# Altium PCB 400236.PcbDoc (part 4 of 4)
Units mil, origin at the board's own origin, x right, y up, seen from the top; angles counter-clockwise.
Board outline 5300 x 2500 mil, 4 copper layers (Top Layer, Mid-Layer 1, Mid-Layer 2, Bottom Layer), stack 59.252 mil thick; 300 components, 217 nets, 1310 pads, 1271 vias.
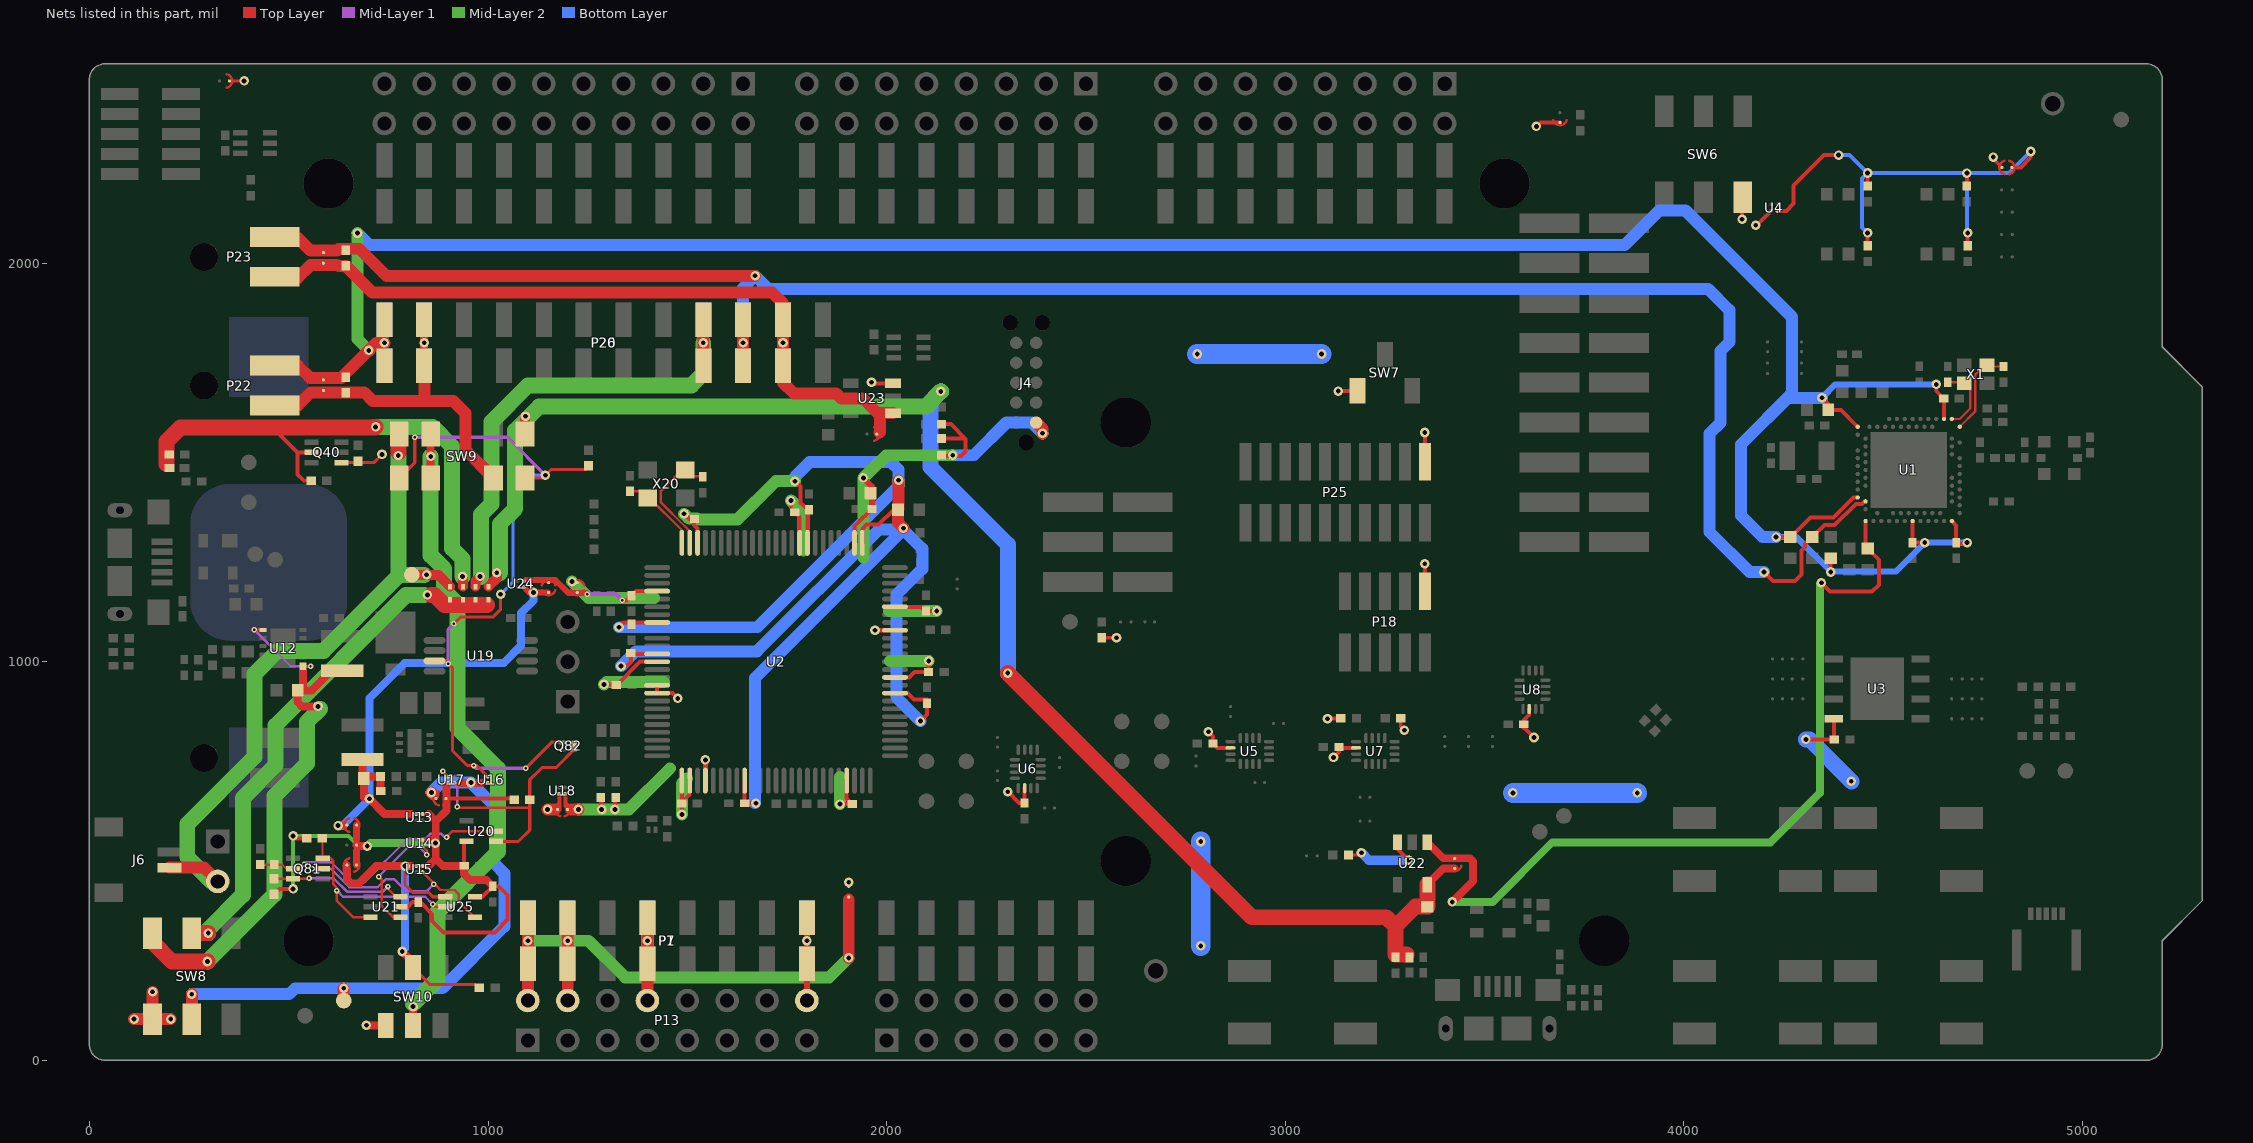
[diagram p6: the nets of this part, all layers, seen from the top]

## Via types
v1: diameter 24, hole 12, Top Layer to Bottom Layer, tented both sides, 1055 vias
v2: diameter 13.78, hole 5.91, Top Layer to Mid-Layer 1, tented both sides, 190 vias
v3: diameter 24, hole 12, Top Layer to Bottom Layer, 26 vias

## Nets (pads, with @x,y where several pads share a name; then routed paths per layer and width w, separated by ;. In a path a pad name is that pad's centre, name@x,y a point inside that pad or via, vN(x,y) a via of type N, cw(c..) or ccw(c..) an arc to the next point about the centre after c; other vN are vias at no path point) (continued)
VBAT_EN: U14.B2 U21.4 | length 320.4
  Top Layer w6: v2(726,461) 733.11,453.89 733.11,387.83 761.53,359.41 U21.4@780.4,359.41 ; U14.B2@835.87,537.13 846,527 v2(846,516)
  Mid-Layer 1 w6: v2(726,461) 800.98,535.98 826.98,535.98 846,516.95 v2(846,516)
VBOOST_SRC: C80.2 L80.2 SW8.6 U12.1 U12.6 | length 1421.9
  Top Layer w6: v2(414,1080) 435.28,1080 U12.6@436,1079.28 ; U12.1@536,988.72 v2(554.72,988.72)
  Top Layer w20: 536,977 536,939.78 C80.2@524.22,928 ; v1(573.57,888) 533,888 522.57,898.43 C80.2@522.57,928 C80.2@524.22,928 ; L80.2@634,977.69 607.69,977.69 558,928 C80.2@524.22,928
  Top Layer w40: SW8.6@158.57,319.27 158.57,296.43 207,248 v1(296,248)
  Mid-Layer 1 w6: v2(414,1080) 505.28,988.72 v2(554.72,988.72)
  Mid-Layer 2 w40: v1(296,248) 464,416 464,663 546,745 546,849 v1@579,882
VBOOST_SRC': D80.1 D81.1 D82.1 D83.1 SW8.5 | length 1291.4
  Top Layer w40: SW8.5@256.99,319.27 v1(298.27,319.27) ; v1@858,1167.5 858,1167 866,1167 891,1142 998,1142
  Mid-Layer 2 w40: v1(298.27,319.27) 298.27,328.27 385,415 385,658 467,740 467,840 794.5,1167.5 v1@840,1167.5
  other v1: 848,1167.5
VBUS: C69.2 D80.2 FB61.2 Q40.2 R40.1 | length 1391.1
  Top Layer w10: 459.24,1587.76 522,1525 ; R40.1@556.31,1454 538,1454 522,1470 522,1525 ; Q40.2@557.6,1525 522,1525
  Top Layer w25: v1(936,1214) 937,1213 D80.2@937,1188.41
  Top Layer w40: 193.8,1496.5 193.8,1552.8 228.76,1587.76 253.72,1587.76 254.01,1587.47 285.49,1587.47 285.78,1587.76 459.24,1587.76 716.76,1587.76 v1(718,1589)
  Mid-Layer 2 w40: v1(718,1589) 861,1589 910,1540 910,1284 936,1258 v1(936,1214)
VBUS_NRF: C20.1 SB80.1 U1.AD2 U22.1 | length 2155.6
  Top Layer w9.84: v1(4345,1198) 4367,1176 4472,1176 4489,1193 4489,1255.8 C20.1@4460.65,1284.15 4455.73,1289.07 U1.AD2@4455.73,1353.05
  Top Layer w20: U22.1@3356.4,547.15 3396.55,507 3411.66,507 3438.34,507 3463,507 3471,499 3471,449.46 v1(3419,397.46)
  Mid-Layer 2 w20: v1(3419,397.46) 3520.3,397.46 3669.84,547 4217,547 4341,671 4341,1194 v1(4345,1198)
VBUS_NRF': C68.2 C91.2 D81.2 FB60.2 SB80.2 SW9.8 U22.5 | length 3941.3
  Top Layer w20: U22.5@3356.4,440.85 3396.55,481 3411.66,481 SB80.2@3425,481
  Top Layer w25: D81.2@1001,1188.41 1022,1209.41 v1(1022,1223) ; SW9.8@1092.48,1571.12 1092.48,1614.48 v1(1094,1616)
  Top Layer w40: v1(2304,971.39) 2916.39,359 3253.29,359 3276.5,335.79 ; FB60.2@3303.56,266 3276.5,266 3276.5,335.79 ; U22.5@3356.4,440.85 3356.4,385.98 3326.69,385.98 3276.5,335.79
  Mid-Layer 2 w40: v1@1030,1223 1030,1346 1068,1384 1068,1580 1128,1640 2098,1640 v1(2136,1678)
  Bottom Layer w40: v1(2136,1678) 2110,1652 2110,1488 2304,1294 v1(2304,971.39)
VCORE: C22.2 C24.2 C30.1 C31.2 C33.2 C37.2 C38.2 U2.9 U2.34 U2.52 U2.59 U2.73 U2.83 U2.87 | length 4727.3
  Top Layer w10: v1(1328.61,1086.53) 1340.08,1098 U2.83@1423.95,1098 ; v1(1333.61,989) 1347.71,989 1358.29,999.58 C22.2@1358.29,1022 ; C22.2@1364.96,1019.68 U2.87@1424.38,1019.68 ; v1(1492,1371) 1505,1358 C30.1@1516.96,1358 ; C30.1@1517.92,1358 C30.1@1516.96,1358 ; U2.73@1525.76,1298.23 1525.76,1334.24 1516.96,1343.04 C30.1@1516.96,1358 ; C31.2@1643.69,645 v1(1672,645) ; C31.2@1643.87,645.67 U2.9@1643.87,701.77 ; v1(1770,1453) 1784,1439 1784,1398.64 1790,1392.64 C33.2@1803.46,1379.17 ; U2.59@1801.35,1298.23 1801.35,1377.05 C33.2@1803.46,1379.17 ; C33.2@1805.61,1381.31 C33.2@1803.46,1379.17 ; U2.52@1939.14,1298.23 1939.14,1333.11 1950.03,1344 1980,1344 2017,1381 C37.2@2028.42,1381 ; U2.34@2020.83,921.26 2052.35,921.26 2068.61,905 C38.2@2099.94,905 ; v1(2084.61,851) 2101.61,868 C38.2@2101.61,896.31 ; C38.2@2100.92,898.68 C38.2@2100.92,905
  Top Layer w30: v1(2030,1455) 2030,1382.58 C37.2@2028.42,1381 2028.42,1348.58 v1(2042,1335)
  Mid-Layer 2 w30: v1(1492,1371) 1504,1359 1524.33,1359 1526.33,1357 1626,1357 1722,1453 v1(1770,1453)
  Bottom Layer w30: v1(1328.61,1086.53) 1675.53,1086.53 2030,1441 v1(2030,1455) 2030,1482 2011,1501 1807,1501 1770,1464 v1(1770,1453) ; v1(1333.61,989) 1370.61,1026 1674.61,1026 1980,1331.39 v1@2042,1331.39 ; v1@1669.92,645 1669.61,645.31 1669.61,959 v1@2042,1331.39 ; v1(2084.61,851) 2024.61,911 2024.61,1168.16 2089.61,1233.16 2089.61,1283.79 v1@2042,1331.39
VDD: C42.2 C45.2 C48.2 C49.2 C50.2 P18.1 P25.1 Q40.4 R41.1 R49.2 R52.1 R53.1 R68.2 SB9.1 SB31.1 SB37.2 SB38.2 SB47.1 SW6.6 SW7.3 SW8.3 SW10.6 U3.8 U4.A2 U5.14 U6.14 U7.14 U8.14 U18.A2 U22.3 U23.3 | length 2710.3
  Top Layer w6: v1@3571,670 v1(3571,671)
  Top Layer w7.87: SB47.1@351.3,2457 358.17,2457 v1(388,2457) ; Q40.4@632.4,1499.41 713.41,1499.41 v1(734,1520) ; R68.2@2540,1060.31 v1(2576.69,1060.31) ; R49.2@3158.69,515 3185,515 v1(3191,521) ; v1(4776,2266) 4776,2261.77 4792.18,2245.59 SB9.1@4798.04,2239.73
  Top Layer w10: 1178.78,629.62 U18.A2@1178.78,667.31 ; v1(1962,1701) 1964.6,1698.4 U23.3@2016.15,1698.4 ; v1(2304,674) 2332.31,645.69 C45.2@2346,645.69 2346.13,645.81 U6.14@2346.13,682.77 ; v1(2807.31,824.31) 2807.31,823.69 2818.69,812.31 C42.2@2818.69,795 2829.94,783.75 U5.14@2862.5,783.75 ; v1(3106,857) 3107,858 R53.1@3139.32,858 ; v1(3121,760) 3134.69,773.69 C48.2@3134.69,786 3136.81,783.87 U7.14@3177.77,783.87 ; v1(3133,1679) 3133.72,1679.72 SW7.3@3181.1,1679.72 ; U22.3@3281.6,547.15 3281.6,530.4 v1(3310,502) ; R52.1@3289.68,858 3289.68,837.31 v1(3299,828) ; P18.1@3350,1176.77 v1(3350,1246) ; P25.1@3350,1501.77 v1(3350,1575) ; C50.2@3598,834.31 3602.69,839 C50.2@3598.69,843 ; U8.14@3612.13,881.77 3611.71,881.35 3611.71,866.96 3598.69,853.93 C50.2@3598.69,843 ; v1(3624,810) 3598.84,835.16 3598.69,835.31 C50.2@3598.69,843 ; v1(3630,2343) 3639.7,2352.7 3675.1,2352.7 SB31.1@3689,2352.7 ; v1(4146,2110) 4146,2163.31 SW6.6@4147.43,2164.73 ; v1(4180,2095) 4183,2095 U4.A2@4218.87,2130.87 ; v1@4306,805 C49.2@4376.68,805 ; U3.8@4375.94,857 4376.68,856.26 C49.2@4376.68,805 ; C49.2@4377.31,805 C49.2@4376.68,805 ; C49.2@4377.68,804 C49.2@4376.68,805
  Top Layer w20: v1(695,88) 695.83,87.17 SW10.6@743.1,87.17
  Top Layer w30: v1(112.14,103.46) v1(204.14,103.46) ; SW8.3@158.56,100.75 v1(158.56,172.02) ; v1(1149.48,629.62) 1168.48,629.62
  Bottom Layer w24: v1(3191,521) 3210,502 v1(3310,502)
  Bottom Layer w40: v1(4306,805) 4315,805 v1(4420,700)
  Bottom Layer w50: v1(2779,1772) v1(3091,1772) ; v1(2788,287) v1(2788,549) ; v1(3571,671) v1(3883,671)
  other v1: 1905,447
VDD_HV: C18.1 P20.10 P23.1 P26.10 R91.2 SB41.1 U1.Y2 | length 5223.9
  Top Layer w9.84: v1(4201,1225) 4224,1202 4279,1202 4295.3,1218.3 4295.3,1240.07 4295.2,1240.16 4295.2,1278.83 4304.09,1287.72 4304.09,1294.91 C18.1@4321.87,1312.69 4352.18,1343 4378.31,1343 4431.31,1396 4439,1396 4446.49,1396.02 4452.73,1402.26 U1.Y2@4455.73,1402.26
  Top Layer w30: P23.1@464.99,2063 522.99,2063 554.69,2031.3 621.29,2031.3 625.99,2036 676.99,2036 744.99,1968 v1(1670,1968) ; P20.10@1640,1742.32 v1(1640,1800) P20.10@1640,1857.68
  Bottom Layer w30: P26.10@1640,1742.32 v1(1640,1800) P26.10@1640,1857.68 1640,1938 v1(1670,1968) 1703,1935 4061,1935 4114,1882 4114,1801.63 4092,1779.63 4092,1600 4064,1572 4064,1326 4165,1225 v1(4201,1225)
VDD_HV': P20.11 P23.2 P26.11 R91.1 SB41.2 SB81.1 U23.1 | length 1995.1
  Top Layer w30: P23.2@464.99,1963 522.99,1963 554.69,1994.7 621.29,1994.7 ; 626.38,1992.64 643.66,1992.64 710.31,1926 1713,1926 1740,1899 P20.11@1740,1857.68 v1(1740,1800) P20.11@1740,1742.32 1740,1700 1767,1673 1873.41,1673 1886.41,1660 1941,1660 1977.4,1623.6 ; 1981.6,1575.42 1983,1576.82 1983,1618 1977.4,1623.6 ; U23.1@2016.15,1623.6 1977.4,1623.6
  Bottom Layer w30: P26.11@1740,1742.32 v1(1740,1800) P26.11@1740,1857.68
VDD_NRF: C6.1 C7.1 C8.1 C12.1 C14.1 L4.1 P20.1 P22.1 P26.1 R90.2 SB40.1 U1.A22 U1.AD14 U1.AD23 U1.B1 U1.W1 | length 6767
  Top Layer w9.84: v1(4231.32,1312.69) 4268.72,1312.69 4318.03,1362 4375.32,1362 4425.32,1412 U1.W1@4436.05,1412 ; v1(4346.48,1662.1) 4362.23,1646.35 C14.1@4362.23,1631.65 4393.66,1631.65 U1.B1@4436.05,1589.27 ; v1(4368.13,1225.09) L4.1@4368.13,1259.54 ; U1.AD14@4573.84,1353.05 C7.1@4573.84,1298.91 v1(4604.35,1298.91) ; v1(4632.94,1695.57) 4632.94,1678.79 C12.1@4651.6,1660.13 4652.58,1659.15 U1.A22@4652.58,1608.95 ; U1.AD23@4672.27,1353.05 4683.09,1342.22 C8.1@4683.09,1298.91 4685.06,1296.94 v1@4710.53,1296.94
  Top Layer w30: P22.1@464.99,1742.91 522.99,1742.91 553.69,1712.21 632.21,1712.21 v1(701,1781) 720,1800 v1(740,1800)
  Mid-Layer 2 w30: v1@673,2074.2 673,1809 v1(701,1781)
  Bottom Layer w15.75: v1(4231.32,1312.69) 4282.5,1312.69 4369.12,1226.08 4531.52,1226.08 v1(4604.35,1298.91) v1(4710.53,1298.91) ; v1(4346.48,1662.1) 4379.94,1695.57 v1@4629.94,1695.57
  Bottom Layer w20: P26.1@740,1742.32 v1(740,1800) P26.1@740,1857.68
  Bottom Layer w30: v1(672.6,2075.2) 702.3,2045.5 3851.5,2045.5 3938,2132 4004,2132 4271.29,1864.71 4271.29,1672.96 ; v1(4231.32,1312.69) 4197.31,1312.69 4143,1367 4143,1544.66 4271.29,1672.96 ; v1(4346.48,1662.1) 4271.29,1662.1 4271.29,1672.96
VDD_NRF': P20.2 P22.2 P26.2 R90.1 SB40.2 SW9.3 | length 1024.8
  Top Layer w20: P20.2@840,1742.32 v1(840,1800) P20.2@840,1857.68
  Top Layer w30: P22.2@464.99,1642.91 522.99,1642.91 555.69,1675.61 689.39,1675.61 711,1654 841,1654 ; P20.2@840,1742.32 841,1741.32 841,1654 ; SW9.3@1013.74,1460.88 943,1531.62 943,1624 913,1654 841,1654
  Bottom Layer w20: P26.2@840,1742.32 v1(840,1800) P26.2@840,1857.68
VDD_NRF_SENSE: Q82.1 R88.1 SW9.1 SW9.4 U16.B2 U19.3 | length 1933.1
  Top Layer w8: SW9.1@777.52,1460.88 816,1499.36 v2(816,1563) ; U19.3@865.86,1002.2 892.8,1002.2 v2(900,995) 910.57,984.43 910.57,777.43 948.39,739.61 v2(964,739.61) 971.39,739.61 U16.B2@999.13,711.87 ; v2(914,1095) 931,1112 1012,1112 1031.5,1131.5 v1(1031.5,1169.5) ; SW9.4@1092.48,1460.88 1136.88,1460.88 v1(1144,1468) 1158,1482 1245,1482 R88.1@1254,1491 ; v2(1095,733) 1159.86,797.86 Q82.1@1187.22,797.86
  Mid-Layer 1 w8: v2(816,1563) 1049,1563 v1(1144,1468) ; v2(900,995) 900,1081 v2(914,1095) ; v2(964,739.61) 970.61,733 v2(1095,733)
  Bottom Layer w8: v1(1031.5,1169.5) 1063,1201 1063,1429 1102,1468 v1(1144,1468)
VDD_SAM: C23.2 C29.2 C32.2 C34.2 C35.2 C36.2 C39.2 C40.2 J4.1 R20.2 R21.2 R64.2 R65.2 R66.2 SB37.1 SB49.1 U2.1 U2.2 U2.4 U2.22 U2.36 U2.42 U2.45 U2.53 U2.60 U2.88 U2.91 U2.92 U18.A1 | length 3369.9
  Top Layer w6: U2.88@1424.38,1000 U2.88@1431,1000
  Top Layer w8: v1(1760,1404.32) 1760,1384.29 C32.2@1769.29,1375
  Top Layer w10: 1194.78,637.62 1194.78,645.94 U18.A1@1194.78,667.62 ; v1@1284.87,630 R20.2@1284.87,659.31 ; v1(1291,943) 1324.61,943 1381.61,1000 U2.88@1424.38,1000 ; v1(1318.34,629.31) R21.2@1318.34,659.31 ; U2.91@1424.38,940.94 U2.92@1424.38,921.26 1462.63,921.26 v1(1475.94,907.94) ; U2.1@1486.39,701.77 1486.39,644 1486.44,643.95 v1(1486.44,616.77) ; C29.2@1486.61,648 1506.07,667.46 U2.2@1506.07,701.77 ; C32.2@1769.29,1375 1781.66,1362.63 U2.60@1781.66,1298.23 ; v1(1883,643) C34.2@1913.31,643 1899.77,656.54 U2.22@1899.77,701.77 ; U2.53@1919.46,1298.23 1919.46,1339.85 1929.8,1350.2 1959.18,1379.57 C35.2@1959.18,1383 ; U2.36@2020.83,960.63 2056.24,960.63 2069.61,974 C39.2@2104.92,974 2105.61,974.68 v1(2105.61,1002) ; U2.42@2020.83,1078.74 U2.42@2021.57,1078 ; U2.45@2020.83,1137.79 2085.81,1137.79 C40.2@2093.29,1130.31 ; C40.2@2098.61,1127.31 v1(2125.61,1127.31) ; R64.2@2137.53,1518 R64.2@2137.69,1518 2137.69,1516 2187,1516 2198,1527 2198,1559 2197,1560 ; R65.2@2137.53,1560 R65.2@2137.69,1560 2197,1560 ; R66.2@2137.69,1596 2161,1596 2197,1560
  Top Layer w12: U2.4@1545.44,701.77 v1(1545.44,753.77) ; v1(1970.83,1078.74) U2.42@2020.83,1078.74
  Top Layer w15: v1(1941.61,1461) 1963.29,1439.31 C35.2@1963.29,1383
  Top Layer w30: 1207.78,629.62 v1(1226.78,629.62) ; J4.1@2375,1600 2391,1584 v1(2391,1573)
  Mid-Layer 2 w30: v1(1211,1201) 1252,1160 1417,1160 ; v1@1226.78,629.31 v1(1318.34,629.31) 1353.41,629.31 1456.83,732.74 ; v1(1291,943) 1296.74,948.74 1441.83,948.74 ; v1(1486.44,616.77) 1486.44,694.44 1499,707 ; v1(1760,1404.32) 1791.83,1372.49 1791.83,1278.74 ; v1(1883,643) 1883,710.74 ; 1941.61,1261.61 v1(1941.61,1461) 1998.61,1518 v1(2165.68,1518) ; 2005.83,1127.31 v1(2125.61,1127.31) ; 2008.83,1002 v1(2105.61,1002)
  Bottom Layer w30: v1(2165.68,1518) 2218.67,1518 2300.67,1600 2364,1600 v1(2391,1573)
  other v1: 1284.87,629.31
VDD_UTMI: C26.2 SB48.1 SB49.2 U2.79 U24.A1 | length 362.9
  Top Layer w10: v2@1247.3,1172.7 v2@1251,1169 ; v2(1336.61,1154) 1347.92,1154 C26.2@1359.61,1165.68 ; C26.2@1359.92,1166 1371.09,1177.16 U2.79@1424.38,1177.16
  Top Layer w15: U24.A1@1094,1204.55 1169.45,1204.55 1201.3,1172.7 1210.92,1172.7 1237.08,1172.7 v2@1247.3,1172.7
  Mid-Layer 1 w10: v2@1249,1170 1320.61,1170 v2(1336.61,1154)
  other v2: 1249,1169
VEXT: R92.1 SB36.2 SW10.2 U15.A1 U25.1 | length 846.6
  Top Layer w8: v1(792,487.47) 792,440 811,421 851,421 861.41,410.59 U25.1@892.6,410.59 ; SW10.2@812,232.83 854.83,190 969,190 R92.1@977,182
  Top Layer w9.65: 807,487.87 U15.A1@820.13,487.87
  Top Layer w20: SB36.2@645.4,490 645.4,479.64 645.8,479.24 645.8,478.71 ; 645.77,478.71 645.77,476.12 645.77,455.23 657,444 676,444 719.47,487.47 v1(792,487.47) 806.6,487.47 ; v1(785,273) 812,246 SW10.2@812,232.83
  Bottom Layer w20: v1(785,273) 792,280 v1(792,487.47)
VEXT_EN: Q81.5 U15.B2 U25.4 | length 565.3
  Top Layer w6: v2(559,481) Q81.5@585.4,481 ; U15.B2@835.87,472.13 880.58,427.42 915.58,427.42 927,416 927,397.81 U25.4@965.4,359.41
  Mid-Layer 1 w6: v2(559,481) 605.71,481 652.12,434.59 723.59,434.59 742.91,453.91 765.09,453.91 795,424 846,424 v2(864,442)
VEXT_EN_INV: Q81.3 R89.2 U21.6 | length 351.7
  Top Layer w6: R89.2@463,455.69 510.32,455.69 Q81.3@510.6,455.41 549.41,455.41 v2(551,457) ; v2(749,436) 749,430.59 769,410.59 U21.6@780.4,410.59
  Mid-Layer 1 w6: v2(551,457) 612.74,457 647.14,422.59 735.59,422.59 v2(749,436)
VIN: P1.8 P7.8 P13.16 | length 323
  Top Layer w15: P13.16@1800,150 P1.8@1800,242.32 v1(1800,300) P1.8@1800,357.68
  Bottom Layer w15: P7.8@1800,242.32 v1(1800,300) P7.8@1800,357.68
VIN3-5V: D83.2 P20.9 P26.9 | length 1320.2
  Top Layer w25: D83.2@969,1188.41 969,1203 v1(980,1214)
  Top Layer w30: P20.9@1540,1742.32 v1(1540,1800) P20.9@1540,1857.68
  Mid-Layer 2 w40: v1@982,1212 982,1369 1009,1396 1009,1602 1100,1693 1510,1693 1540,1723 v1(1540,1800)
  Bottom Layer w30: P26.9@1540,1742.32 v1(1540,1800) P26.9@1540,1857.68
VIO: P1.1 P1.2 P1.4 P7.1 P7.2 P7.4 P13.2 P13.4 P13.8 SB38.1 | length 2128.6
  Top Layer w15: v1(1400,300) P1.4@1400,357.68
  Top Layer w30: P13.2@1100,150 P1.1@1100,242.32 P1.1@1100,357.68 ; P13.4@1200,150 v1(1200,300) P1.2@1200,357.68 ; P13.8@1400,150 P1.4@1400,357.68 ; v1(1905,257) 1905,403
  Mid-Layer 2 w30: v1(1100,300) v1(1200,300) 1252,300 1344,208 1399,208 ; v1(1400,300) 1400,209 1399,208 ; v1(1905,257) 1856,208 1399,208
  Bottom Layer w30: P7.1@1100,242.32 P7.1@1100,357.68 ; P7.2@1200,242.32 P7.2@1200,357.68 ; P7.4@1400,242.32 P7.4@1400,357.68
VLED: R47.2 R48.2 R50.2 R51.2 SB9.2 U4.A1 | length 1276.2
  Top Layer w10: U4.A1@4234.87,2131.13 4257.13,2131.13 4275,2149 4275,2195 4351,2271 v1(4388,2271) ; R50.2@4460.84,2043.41 v1(4460.84,2075.73) ; R47.2@4460.84,2193.41 v1(4460.84,2226.04) ; R48.2@4709.84,2193.41 v1(4709.84,2225.73) ; R51.2@4711.84,2043.41 v1(4711.84,2075.73) ; SB9.2@4822.64,2239.73 4829.51,2239.73 4845.07,2239.73 4870,2264.66 v1(4870,2280)
  Bottom Layer w10: v1(4388,2271) 4415.88,2271 v1(4460.84,2226.04) ; v1(4460.84,2075.73) 4447,2089.57 4447,2212.2 v1(4460.84,2226.04) ; v1(4709.84,2225.73) 4709.84,2077.73 v1(4711.84,2075.73) ; v1(4870,2280) 4816.04,2226.04 v1(4460.84,2226.04)
VLI-ION: D82.2 J6.2 P27.2 SW9.5 TP17.1 | length 1752.6
  Top Layer w25: TP17.1@809,1218 v1(846,1218) 875.41,1218 D82.2@905,1188.41
  Top Layer w30: J6.2@201,483.31 287.69,483.31 P27.2@322,449
  Top Layer w40: v1@775,1525 775,1568.6 SW9.5@777.52,1571.12
  Mid-Layer 2 w40: P27.2@322,449 306,449 245.5,509.5 245.5,592.5 414,761 414,969 472,1027 587,1027 775,1215 ; v1(775,1517) 775,1215 ; v1@840,1218 778,1218 775,1215
VREG: C87.2 C88.2 L81.2 R82.2 SB34.2 SB48.2 U13.A1 U24.A2 | length 1331.6
  Top Layer w15: 1094,1183.55 1093.45,1183.55 1103.3,1173.7 v1(1114,1173.7) 1138.1,1173.7 SB48.2@1151,1173.7
  Top Layer w20: v1(624,589) 638.9,589 638.96,588.94 ; L81.2@685,751.69 685,710.57 C88.2@688.57,707 ; 688.57,659 C88.2@688.57,707 ; 688.57,670 v1(702.57,656) 740.7,617.87 807,617.87 ; C87.2@731.31,676 730.31,677 R82.2@730.31,712 693.57,712 C88.2@688.57,707
  Bottom Layer w20: v1(624,589) 635.57,589 v1(702.57,656) 702.57,908.57 791,997 1039.6,997 1083,1040.4 1083,1122 1114,1153 v1(1114,1173.7)
VREG_EN: Q81.2 R83.2 R85.1 U20.2 | length 683.4
  Top Layer w6: R85.1@428.87,491.31 428.87,490.7 484.02,490.7 493.72,481 Q81.2@510.6,481 528,481 v2(539,492) ; v2(896,560) 911,575 U20.2@1020.4,575
  Mid-Layer 1 w6: v2(539,492) 543.89,496.89 606.79,496.89 657.09,446.59 689.12,446.59 798.53,556 843,556 855,568 883,568 891,560 v2(896,560)
VREG_EN_INV: Q81.6 R86.2 U21.3 U25.2 | length 573.8
  Top Layer w6: R86.2@584.69,557 584.69,507.31 604.69,507.31 612.12,499.88 612.12,441.15 621,432.26 v2(621,426) 621,400 661.59,359.41 U21.3@705.6,359.41 ; v2(861,392) 868,385 U25.2@892.6,385
  Mid-Layer 1 w6: v2(621,426) 636.41,410.59 839.41,410.59 842.41,410.59 v2(861,392)
VSENSE_SW_OUT: SB39.1 SW8.2 TP19.1 U16.A2 U17.A1 | length 1544.9
  Top Layer w9.84: U17.A1@915.87,696.13 930,696.13 ; 983.13,696.13 U16.A2@999.13,696.13
  Top Layer w20: 930,696.13 983.13,696.13
  Top Layer w30: SW8.2@256.99,102.73 v1(256.99,165.99) ; TP19.1@638,150 v1(638,180.94) ; v1(858,672) v1@863.57,666.43
  Bottom Layer w30: v1(256.99,165.99) 501.05,165.99 516,180.94 v1(638,180.94) 885.94,180.94 1041,336 1041,468.87 1016.91,492.97 1016.91,637.09 v1(957,697) 883,697 v1(858,672)
VSRC_NRF: SW9.2 SW9.6 SW10.5 | length 1689.2
  Top Layer w20: SW10.5@812,87.17 v1(812,135) ; SW9.2@856.26,1460.88 v1(856.26,1515) SW9.6@856.26,1571.12
  Mid-Layer 2 w40: v1@812,142 873,203 873,372 1025,524 1025,732 923,834 923,1145 890,1178 890,1233.05 856.26,1266.79 v1(856.26,1515)
VSUPPLY: C89.2 C90.2 C93.2 R86.1 R87.1 R89.1 SB34.1 SB35.1 SB36.1 SB39.2 U13.A2 U14.A2 U15.A2 U17.A2 U20.5 U21.5 U25.5 | length 1912.9
  Top Layer w9.65: U15.A2@835.87,487.87 851,487.87 ; U14.A2@835.87,552.87 851,552.87 ; U13.A2@835.87,617.87 852,617.87
  Top Layer w10: R89.1@463,416.31 476.69,430 v1(511,430) ; v1(511,563) 517,557 R86.1@545.31,557 ; U21.5@780.4,385 799,385 810.69,396.69 C89.2@825,396.69 830.31,396.69 859.92,367.08 859.92,349.92 888.85,321 1017,321 1049,353 1049,415 1028,436 1012.69,436 C90.2@1012,436.69 985.91,410.59 U25.5@965.4,410.59 ; SB39.2@894.3,656.7 894.6,657 896,657 901.17,657 R87.1@1063,657 ; C93.2@940.31,488 940.31,544.13 U20.5@945.6,549.41
  Top Layer w18: SB36.1@670.4,490 670.4,503.9 670.4,526.17 ; 670.4,553.82 670.4,576.1 SB34.1@670.4,590
  Top Layer w20: SB35.1@670.3,540 672.89,537.41 676.98,537.41 v1(697,537.41) ; 851,487.87 868.89,505.76 ; 851,552.87 868.76,552.87 v1@868.89,553 ; 852,617.87 852,616.78 868.89,599.89 ; 896,689 896,669.12 896,657 896,644.28 896,627 868.89,599.89 ; C90.2@1012,436.69 996.69,452 956,452 940.31,467.69 C93.2@940.31,488 886.65,488 868.89,505.76 ; 868.89,505.76 v1@868.89,553 ; v1@868.89,553 868.89,599.89
  Mid-Layer 2 w10: v1(511,430) v1(511,563) 650,563 675.59,537.41 v1(697,537.41)
  Mid-Layer 2 w20: v1(697,537.41) 704.59,545 v1(868,545)
VSUPPLY_EN: Q82.3 R87.2 U17.B2 U20.1 | length 678.4
  Top Layer w6: v2(887,725) U17.B2@900.13,711.87 ; v2(923,636) 924.83,634.17 1104.51,634.17 1104.69,634
  Top Layer w8: U20.1@1020.4,549.41 1076.41,549.41 1104.69,577.69 1104.69,634 R87.2@1104.69,654 1104.69,703.69 1135.5,734.5 1170.5,734.5 1214.78,778.78 Q82.3@1214.78,789
  Mid-Layer 1 w6: v2(887,725) 923,689 v2(923,636)
XC1: C1.1 U1.B24 X1.1 | length 226.7
  Top Layer w6: U1.B24@4691.95,1589.27 4731.32,1628.64 4731.32,1721.16 4750.83,1740.66 C1.1@4801.76,1740.66
XC2: C2.1 U1.A23 X1.3 | length 169.2
  Top Layer w6: C2.1@4661.76,1701.29 4700.27,1701.29 X1.3@4703.22,1698.34 4718.53,1683.03 4718.53,1635.36 4692.12,1608.95 U1.A23@4672.27,1608.95
XIN: C27.1 U2.75 X20.3 | length 201.7
  Top Layer w6: C27.1@1356.61,1427.31 1384.34,1427.31 X20.3@1400.6,1411.06 ; X20.3@1400.6,1410.94 1405.28,1410.94 1486.39,1329.84 U2.75@1486.39,1298.23
XOUT: C28.1 U2.74 X20.1 | length 294
  Top Layer w6: U2.74@1506.07,1298.23 1506.07,1327.93 1500,1334 1494.29,1339.71 1493.48,1339.71 1433.61,1399.59 1433.61,1428.61 1486.06,1481.06 X20.1@1494.61,1481.06 1509.99,1465.68 C28.1@1538.61,1465.68
pads on no net: Bat1.0 Fid1.0 Fid2.0 J2.4 J2.6@76.53,1120.08 J2.6@76.53,1379.92 J3.4 J3.6@3402.73,80.04 J3.6@3662.57,80.04 J4.0 J4.7 J4.9 J5.0 J5.1 J5.3 J5.5 J6.0 P18.7 P18.8 P19.7 P19.8 P21.0 P22.0 P23.0 P25.7 P25.8 P25.11 P25.13 SW8.1 SW10.1 U2.6 U2.8 U2.10 U2.11 U2.13 U2.15 U2.16 U2.19 U2.25 U2.26 U2.28 U2.29 U2.30 U2.31 U2.32 U2.33 U2.37 U2.44 U2.48 U2.49 U2.50 U2.58 U2.64 U2.69 U2.86 U2.93 U2.94 U2.95 U2.96 U2.99 U2.100 U5.1 U5.5 U5.9 U5.13 U6.1 U6.5 U6.9 U6.13 U7.7 U7.11 U8.11 U8.12 U8.13 U12.5 U22.4 U23.4
copper on no net: | length 142.5
  Bottom Layer w10: 1506,2116.53 1506,2259

## Polygon pours and split planes (outlines as drawn)
VDD_SAM on Mid-Layer 2 "Mid_Layer_2-VDD_SAM" (solid, pour order 8): 1410.89,1303.95 1410.89,684.21 2029.73,684.21 2029.73,1303.95
VDD on Mid-Layer 2 "Mid_Layer_2-VDD" (solid, remove dead copper, pour order 10): -150,-150 -150,2700 5450,2700 5450,-150
GND on Bottom Layer "Bottom_Layer-GND" (solid, remove dead copper, pour order 6): -150,-150 -150,2700 5450,2700 5450,-150
GND on Top Layer "Top_Layer-GND" (solid, remove dead copper, pour order 12): -150,-150 -150,2700 5450,2700 5450,-150
GND on Mid-Layer 1 "Mid_Layer_1-GND" (solid, remove dead copper, pour order 7): -150,-150 -150,2700 5450,2700 5450,-150

## Keep-outs
Top Layer:
  lines w6: 643.15,315.86 ccw(c550,300) 643.26,315.2 ; 3578.36,2109.87 cw(c3550,2200) 3617.82,2134.21
Mid-Layer 1:
  circle w6: c3550,2200 r94.49
  circle w6: c550,300 r94.49
Mid-Layer 2:
  circle w6: c3550,2200 r94.49
  circle w6: c550,300 r94.49
Bottom Layer:
  circle w6: c3550,2200 r94.49
  circle w6: c550,300 r94.49
Keep-Out Layer:
  circle w6: c2600,500 r94.49
  circle w6: c600,2200 r94.49
  circle w6: c2600,1600 r94.49
  circle w6: c3800,300 r94.49
  lines w10: 0,40 ccw(c40,40) 40,0 5161,0 ccw(c5160.5,39.5) 5200,40 5200,300 5300,400 5300,1690 5200,1790 5200,2460 ccw(c5160,2460) 5160,2500 40,2500 ccw(c40,2460) 0,2460 0,40

## Other copper
Top Layer:
  rectangle net ANT: 5236.79,800.9 5286.79,830.9
  rectangle net GND: 334,1005 479,1047
  rectangle net GND: 455,957 517,1118
  pour cut-out: 3589,1265 3589,1315 3539,1315 3539,1265
  pour cut-out: 4803.2,1468.21 4695.2,1468.21 4695.2,1582.21 4803.2,1582.21
  pour cut-out: 4249.04,1268.4 4249.04,1323.52 4393.54,1323.52 4393.54,1268.4
  pour cut-out: 4386.83,1234.94 4386.83,1293.99 4485.26,1293.99 4485.26,1234.94
  pour cut-out: 4573.84,1451.47 4573.84,1510.53 4672.27,1510.53 4672.27,1451.47
  pour cut-out: 4665.31,1324.01 4623.55,1365.77 4693.15,1435.37 4734.9,1393.61
  pour cut-out: 2383,1218 2680.02,1218 2679.97,1288 2383,1288
  pour cut-out: 5039.97,-50 5310.28,-50 5308.76,1788 5040.14,1788
  pour cut-out: -9.02,1110.4 111.17,1110.4 110.94,1389 -8.99,1389
  pour cut-out: 1141,1008 1141,1058 1091,1058 1091,1008
  pour cut-out: 4033,1891 4033,1941 3983,1941 3983,1891
  pour cut-out: 4157.36,995 4122,1030.36 4086.64,995 4122,959.64
  pour cut-out: 4668,1062 4618,1062 4618,1012 4668,1012
  pour cut-out: 443,2038 393,2038 393,1988 443,1988
  pour cut-out: 3401,1405 3351,1405 3351,1355 3401,1355
  pour cut-out: 2392,2090 1905,2090 1905,2040 2392,2040
  pour cut-out: 4239,1703 4239,1753 4156,1753 4156,1703
  pour cut-out: 872,46 872,96 822,96 822,46
  pour cut-out: 805,225 805,275 755,275 755,225
  pour cut-out: 796,45 796,128.5 746,128.5 746,45
  pour cut-out: 443,1717.91 393,1717.91 393,1667.91 443,1667.91
  pour cut-out: 958.26,1424.38 1361.38,1424.4 cw(c1361.42,1324.56) 1432.09,1395.11 1516.11,1311.09 cw(c1445.6,1240.49) 1545.4,1240.38 1545.4,1229.8 cw(c1458.4,1229.8) 1458.4,1142.8 1371.4,1142.8 cw(c1371.38,1206.28) 1326.5,1161.4 1243.29,1244.61 ccw(c1213,1214.41) 1212.9,1257.2 957.81,1257.2 cw(c5332.01,1329.21)
  pour cut-out: 523.6,1399.64 cw(c582.99,1340.26) 583,1424.25 1000,1424.24 1000,1257.45 632.53,1256.68 ccw(c639.32,1215.19) 606.85,1241.9 562,1197.05 523.6,1197.05
  pour cut-out: 388.18,1344.7 463.55,1344.7 ccw(c463.55,1357.33) 472.48,1348.4 524.07,1399.99 562.48,1399.99 562.48,1197.4 cw(c523.48,1237.61) 522.58,1181.6 439.71,1181.6 cw(c439.71,1218.12) 413.88,1192.3 ccw(c395.09,1173.55) 395.05,1200.1 213.48,1200.1 213.48,1344.81 289.58,1344.81 291.78,1344.4 293.88,1343.7 295.67,1342.68 297.38,1341.3 298.58,1339.5 299.28,1337.8 299.48,1336 299.48,1334.16 299.48,1286.8 368.28,1286.8 368.28,1324.8 cw(c388.18,1324.8)
Mid-Layer 1:
  pour cut-out: 1114.76,1142 1114.76,1233 1265.24,1233 1265.24,1142
  pour cut-out: 3625,2306 3625,2397 3754.87,2397 3754.87,2306
  pour cut-out: 1913.52,1534.5 1913.52,1625.5 2007,1625.5 2007,1534.5
  pour cut-out: 3377.26,448 3377.26,539 3470.74,539 3470.74,448
  pour cut-out: 4341.74,1072.98 4341.74,840 4184.26,840 4184.26,1072.98
  pour cut-out: 5058,1432.77 4735.2,1432.77 4735.2,1590.25 5058,1590.25
  pour cut-out: 5039.97,-50 5310.28,-50 5308.76,1788 5040.14,1788
  pour cut-out: 4791.74,1022.98 4791.74,790 4634.26,790 4634.26,1022.98
  pour cut-out: 4131.81,1839.48 4364.78,1839.48 4364.78,1682 4131.81,1682
  pour cut-out: 608.26,444 608.26,634 701.74,634 701.74,444
  pour cut-out: 834.26,611 834.26,702 927.74,702 927.74,611
  pour cut-out: 3020.52,470.5 3020.52,561.5 3114,561.5 3114,470.5
  pour cut-out: 2233.26,756 2233.26,847 2326.74,847 2326.74,756
  pour cut-out: 2228.26,673 2228.26,764 2321.74,764 2321.74,673
  pour cut-out: 2386.52,702.5 2386.52,793.5 2480,793.5 2480,702.5
  pour cut-out: 2361,589.5 2361,680.5 2454.48,680.5 2454.48,589.5
  pour cut-out: 2554.26,1051 2554.26,1142 2703,1142 2703,1051
  pour cut-out: 4760.26,1970 4760.26,2297 4853.74,2297 4853.74,1970
  pour cut-out: 293.26,2407 293.26,2498 386.74,2498 386.74,2407
  pour cut-out: 2729.26,706 2729.26,797 2822.74,797 2822.74,706
  pour cut-out: 2811.26,826 2811.26,917 2904.74,917 2904.74,826
  pour cut-out: 2934.26,799 2934.26,890 3027.74,890 3027.74,799
  pour cut-out: 2888.56,654 2888.56,745 2982.04,745 2982.04,654
  pour cut-out: 1120,586 1120,677 1249.87,677 1249.87,586
  pour cut-out: 2134.32,1148.98 2134.32,1239.98 2227.8,1239.98 2227.8,1148.98
  pour cut-out: 3151.26,551 3151.26,715 3244.74,715 3244.74,551
  pour cut-out: 3345.63,755 3345.63,846 3580.37,846 3580.37,755
  pour cut-out: 538.52,1964.5 538.52,2055.5 632,2055.5 632,1964.5
  pour cut-out: 539.52,1648.41 539.52,1739.41 633,1739.41 633,1648.41
  pour cut-out: 1859.52,378.5 1859.52,469.5 1953,469.5 1953,378.5
Mid-Layer 2:
  pour cut-out: 5061,1432.77 4735.2,1432.77 4735.2,1590.25 5061,1590.25
  pour cut-out: 5039.97,-50 5310.28,-50 5308.76,1788 5040.14,1788
Bottom Layer:
  pour cut-out: 5039.97,-50 5310.28,-50 5308.76,1788 5040.14,1788
  pour cut-out: 1400,1079 1350,1079 1350,1029 1400,1029

## Silkscreen, mask and mechanical layers (free items; w line width, h text height)
Top Overlay:
  circle w10: c1930,360 r5
  circle w10: c1030,360 r5
  circle w10: c2570,2140 r5
  circle w10: c1710,2140 r5
  circle w10: c3469,2140.4 r5
  lines w5.91: 681,1368 1181,1368
  lines w6: 4160.46,1715 4160.46,1097.14 4928.17,1097.14 4928.17,1448 ; 4160.46,1815 4160.46,1864.86 4928.17,1864.86 4928.17,1575
  lines w8: 808,304 848,304 ; 833,289 848,304 ; 833,319 848,304
  lines w10: 446.99,2400 3701.99,2400 ; 560,2450 670,2450 ; 660,2450 640,2460 640,2440 670,2450 ; 1050,100 2788.99,100 ; 2577.99,48.47 2597.99,38.47 2597.99,58.47 2567.99,48.47 ; 2677.99,48.47 2567.99,48.47 ; 3483,2448 3503,2438 3503,2458 3473,2448 ; 3583,2448 3473,2448 ; 4049,2423 4049,2493 ; 670,2450 640,2470 640,2430 670,2450 ; 2567.99,48.47 2597.99,68.47 2597.99,28.47 2567.99,48.47 ; 3473,2448 3503,2428 3503,2468 3473,2448
  text "nRF ONLY" at 3789,2433 h70
  text "DEFAULT" at 4069,2433 h70
  text "GND" at 3597.99,2429.47 h70
  text "GND" at 437.99,2426 h70
  text "GND" at 4770,2374 h70
  text "LED1" at 4300.84,2200.73 h80
  text "LED2" at 4544.84,2200.73 h80
  text "Debug out" at 15.99,2136 h80
  text "P0.11" at 3450,2078 h70
  text "P0.12" at 3930,2078 h70
  text "0240RUBR" at 5151,2068.4 h60 r90
  text "400236" at 5099.69,2065.84 h80 r90
  text "LED3" at 4295.84,2051.73 h80
  text "LED4" at 4545.84,2051.73 h80
  text "VDD_HV" at 40,1999 h55
  text "P0.13" at 3450,1978 h70
  text "P0.14" at 3930,1978 h70
  text "P0.27" at 760,1964 h70 r90
  text "P0.26" at 860,1964 h70 r90
  text "P0.02" at 960,1964 h70 r90
  text "GND" at 1060,1964 h70 r90
  text "P1.15" at 1160,1964 h70 r90
  text "P1.14" at 1260,1964 h70 r90
  text "P1.13" at 1360,1964 h70 r90
  text "P1.12" at 1460,1964 h70 r90
  text "P1.11" at 1560,1964 h70 r90
  text "P1.10" at 1660,1964 h70 r90
  text "P1.08" at 1820,1964 h70 r90
  text "P1.07" at 1920,1964 h70 r90
  text "P1.06" at 2020,1964 h70 r90
  text "P1.05" at 2120,1964 h70 r90
  text "P1.04" at 2220,1964 h70 r90
  text "P1.03" at 2320,1964 h70 r90
  text "P1.02" at 2420,1964 h70 r90
  text "P0.10" at 2720,1964 h70 r90
  text "P0.09" at 2820,1964 h70 r90
  text "P0.08" at 2920,1964 h70 r90
  text "P0.07" at 3020,1964 h70 r90
  text "P0.06" at 3120,1964 h70 r90
  text "P0.05" at 3220,1964 h70 r90
  text "P0.01" at 3320,1964 h70 r90
  text "P0.00" at 3420,1964 h70 r90
  text "P0.15" at 3450,1878 h70
  text "P0.16" at 3930,1878 h70
  text "nRF current" at 38,1858 h80
  text "measurement" at 19,1807 h80
  text "Alt." at 3140,1785 h70
  text "Def." at 3285,1785 h70
  text "P0.17" at 3450,1778 h70
  text "P0.18" at 3930,1778 h70
  text "GPIO" at 4075,1770 h60
  text "XTAL" at 4075,1720 h60
  text "P0.19" at 3450,1678 h70
  text "P0.20" at 3930,1678 h70
  text "VDD" at 40,1676 h55
  text "VTG" at 957,1616.38 h55 r90
  text "VDD / nRF" at 778,1613.4 h55 r90
  text "VDD / nRF'" at 878,1613.4 h55 r90
  text "(ARDUINO D0) P1.01" at 2522,1605.4 h70 r90
  text "SWD / IO" at 1083,1604.4 h55 r90
  text "SWD / CLK" at 1183,1604.4 h55 r90
  text "SWO" at 1257,1603.93 h55 r90
  text "TRACE" at 3165,1595 h70
  text "P0.21" at 3450,1578 h70
  text "P0.22" at 3930,1578 h70
  text "VIN / 3-5V" at 1578,1574.52 h55 r90
  text "RESET" at 1359,1567.38 h55 r90
  text "VDD / nRF_HV" at 1678,1536.52 h55 r90
  text "VDD / nRF_HV'" at 1778,1536.52 h55 r90
  text "GND / DETECT" at 1481,1533.97 h55 r90
  text "P0.23" at 3450,1478 h70
  text "P0.24" at 3930,1478 h70
  text "P1.14" at 2274.3,1381.17 h60
  text "5V" at 2726.3,1379.17 h60
  text "P0.25" at 3450,1378 h70
  text "P1.00" at 3930,1378 h70
  text "Li-Po   VDD   USB" at 721,1376 h70
  text "nRF power source" at 686,1311 h80
  text "P1.13" at 2726.3,1282.17 h60
  text "P1.15" at 2272.3,1281.17 h60
  text "P1.09" at 3450,1278 h70
  text "DETECT" at 2722.84,1184 h60
  text "RESET" at 2242.3,1181.17 h60
  text "NORDIC" at 5132.08,1044.67 h150 r90
  text "SEMICONDUCTOR" at 5190.77,1041.28 h65 r90
  text "Debug in" at 3129,910.23 h80
  text "External supply" at 10.99,884 h80
  text "SB20-22" at 4210,875 h60 r90
  text "SB10-12" at 4349,875 h60 r90
  text "www.nordicsemi.com" at 5270,849 h83 r90
  text "SB13-15" at 4660,845 h60 r90
  text "SB23-25" at 4800,845 h60 r90
  text "-" at 540.99,785 h60
  text "+" at 540.99,685 h60
  text "Button 1" at 4039.13,661.01 h90
  text "Button 2" at 4434.67,661.01 h90
  text "Li-po" at 128,594 h80
  text "-" at 225,532 h40
  text "+" at 225,432 h40
  text "N.C." at 1821,412 h70 r90
  text "VDD" at 1116.75,411.87 h70 r90
  text "VDD" at 1216.75,411.87 h70 r90
  text "RESET" at 1316.75,411.87 h70 r90
  text "VDD" at 1416.75,411.87 h70 r90
  text "5V" at 1516.75,411.87 h70 r90
  text "GND" at 1616.75,411.87 h70 r90
  text "GND" at 1716.75,411.87 h70 r90
  text "P0.03 (A0)" at 2016.75,411.87 h70 r90
  text "P0.04" at 2116.75,411.87 h70 r90
  text "P0.28" at 2216.75,411.87 h70 r90
  text "P0.29" at 2316.75,411.87 h70 r90
  text "P0.30" at 2416.75,411.87 h70 r90
  text "P0.31" at 2516.75,411.87 h70 r90
  text "NFC" at 4847.37,390.78 h90
  text "Button 3" at 4036.13,283.46 h90
  text "Button 4" at 4436.67,283.9 h90
  text "IF BOOT/RESET" at 2831,275 h80
  text "VEXT   nRF" at 656,272 h80
  text "nRF USB" at 3390.57,225.73 h90
  text "GND" at 2732,203 h70
  text "Power" at 60,125 h80 r90
  text "nRF52840-Preview-DK" at 5133,36 h100 r90
  text "GND" at 2692.98,29.94 h70
  text "ON" at 153.99,9 h70
  text "OFF" at 261.99,9 h70
  text "OFF" at 709,8 h70
  text "ON" at 844,8 h70
Bottom Overlay:
  drawing of 2235 lines, arcs and shapes, not listed
  text "J-Link" at 4641.6,2457.64 h57 r90
  text "www.segger.com" at 4686.9,2454.44 h66 r90
  text "mbed.org" at 4297.67,2367.63 h70 r90
  text "TM" at 4625,2321.04 h37 r90
  text "S" at 4568.4,2312.64 h53 r90
  text "Pb" at 4957.28,2308 h120 r90
  text "E" at 4568.4,2277.61 h53 r90
  text "Technology" at 4641.6,2270.54 h57 r90
  text "G" at 4568.4,2246.74 h53 r90
  text "G" at 4568.4,2207.74 h53 r90
  text "E" at 4568.4,2167.44 h53 r90
  text "R" at 4568.4,2134.54 h53 r90
  text "P0.27" at 759.96,2091 h65 r90
  text "P0.26" at 859.96,2091 h65 r90
  text "P0.02" at 959.96,2091 h65 r90
  text "GND" at 1060,2091 h65 r90
  text "P1.15" at 1159.96,2091 h65 r90
  text "P1.14" at 1259.96,2091 h65 r90
  text "P1.13" at 1359.96,2091 h65 r90
  text "P1.12" at 1459.96,2091 h65 r90
  text "P1.11" at 1559.96,2091 h65 r90
  text "P1.10" at 1659.96,2091 h65 r90
  text "P1.08" at 1819.96,2091 h65 r90
  text "P1.07 (D6)" at 1920,2091 h65 r90
  text "P1.06 (D5)" at 2020,2091 h65 r90
  text "P1.05 (D4)" at 2120,2091 h65 r90
  text "P1.04 (D3)" at 2220,2091 h65 r90
  text "P1.03 (D2)" at 2320,2091 h65 r90
  text "P1.02 (D1)" at 2420,2091 h65 r90
  text "P1.01 (ARDUINO D0)" at 2520,2091 h65 r90
  text "P0.10" at 2720,2091 h70 r90
  text "P0.09" at 2820,2091 h70 r90
  text "P0.08" at 2920,2091 h70 r90
  text "P0.07" at 3020,2091 h70 r90
  text "P0.06" at 3120,2091 h70 r90
  text "P0.05" at 3220,2091 h70 r90
  text "P0.01" at 3320,2091 h70 r90
  text "P0.00" at 3419,2091 h70 r90
  text "(SCL)" at 803.96,2050 h65 r90
  text "(SDA)" at 903.96,2050 h65 r90
  text "(AREF)" at 1003.96,2050 h65 r90
  text "(D13)" at 1203.96,2050 h65 r90
  text "(D12)" at 1303.96,2050 h65 r90
  text "(D11)" at 1403.96,2050 h65 r90
  text "(D10)" at 1503.96,2050 h65 r90
  text "(D9)" at 1603.96,2050 h65 r90
  text "(D8)" at 1703.96,2050 h65 r90
  text "(D7)" at 1863.96,2050 h65 r90
  text "GPIO" at 3128,1917.35 h78.5 r90
  text "P0.00" at 3279,1915 h75 r90
  text "P0.01" at 3491,1915 h75 r90
  text "P0.11" at 3650,1915 h75 r90
  text "P0.12" at 3756,1915 h75 r90
  text "P0.24" at 3862,1915 h75 r90
  text "P0.25" at 3968,1915 h75 r90
  text "P0.13" at 4074,1915 h75 r90
  text "P0.14" at 4180,1915 h75 r90
  text "P0.15" at 4286,1915 h75 r90
  text "P0.16" at 4392,1915 h75 r90
  text "P0.17" at 4498,1915 h75 r90
  text "P0.19" at 4604,1915 h75 r90
  text "P0.20" at 4710,1915 h75 r90
  text "P0.21" at 4816,1915 h75 r90
  text "P0.22" at 4922,1915 h75 r90
  text "P0.23" at 5028,1915 h75 r90
  text "Function" at 3128,1702 h78.5 r90
  text "Button 4" at 3968,1691.55 h75 r90
  text "Button 2" at 3756,1690.65 h75 r90
  text "Button 3" at 3862,1690.9 h75 r90
  text "Button 1" at 3650,1686.86 h75 r90
  text "LED 4" at 4392,1650.46 h75 r90
  text "LED 2" at 4180,1649.55 h75 r90
  text "LED 3" at 4286,1649.8 h75 r90
  text "GPIO" at 1076,1645.87 h78.5 r90
  text "P0.05" at 1174,1645 h75 r90
  text "P0.06" at 1280,1645 h75 r90
  text "P0.07" at 1386,1645 h75 r90
  text "P0.08" at 1492,1645 h75 r90
  text "P0.18" at 1598,1645 h75 r90
  text "P1.00" at 1704,1645 h75 r90
  text "P0.09" at 2056,1645 h75 r90
  text "P0.10" at 2236,1645 h75 r90
  text "LED 1" at 4074,1645.77 h75 r90
  text "DIO3" at 5028,1633.15 h75 r90
  text "DIO0" at 4710,1632.93 h75 r90
  text "DIO2" at 4922,1632.9 h75 r90
  text "DIO1" at 4816,1629.11 h75 r90
  text "CLK" at 4604,1626.02 h75 r90
  text "XL2" at 3491,1618.55 h75 r90
  text "XL1" at 3279,1614.77 h75 r90
  text "CS" at 4498,1602.08 h75 r90
  text "SWDCLK" at 1916,1544 h75 r90
  text "SWDIO" at 1810,1509 h75 r90
  text "Function" at 1076,1430.51 h78.5 r90
  text "RESET" at 1597,1395.94 h75 r90
  text "SB15/25" at 4498,1387 h75 r90
  text "SB11/21" at 4604,1387 h75 r90
  text "SB12/22" at 4710,1387 h75 r90
  text "SB13/23" at 4816,1387 h75 r90
  text "SB14/24" at 4922,1387 h75 r90
  text "SB10/20" at 5028,1387 h75 r90
  text "NFC2" at 2237,1370.72 h75 r90
  text "NFC1" at 2057,1366.94 h75 r90
  text "SB2" at 3226,1365 h75 r90
  text "SB4" at 3332,1365 h75 r90
  text "SB1" at 3438,1365 h75 r90
  text "SB3" at 3544,1365 h75 r90
  text "SB5" at 4074,1365 h75 r90
  text "SB6" at 4180,1365 h75 r90
  text "SB7" at 4286,1365 h75 r90
  text "SB8" at 4392,1365 h75 r90
  text "SWO" at 1704,1364.85 h75 r90
  text "RXD" at 1492,1353.95 h75 r90
  text "TXD" at 1280,1351.9 h75 r90
  text "CTS" at 1386,1351.09 h75 r90
  text "RTS" at 1174,1350.23 h75 r90
  text "Short" at 3128,1344.68 h78.5 r90
  text "HW" at 1091.75,1120 h78.5 r90
  text "IF / MCU" at 1709,1105 h70 r90
  text "GPIO" at 3449.72,1099.49 h70 r90
  text "GPIO" at 4825,1099.49 h70 r90
  text "GPIO" at 1369,1095 h70 r90
  text "GPIO" at 2280.73,1038.6 h70 r90
  text "HW" at 3128,1004.68 h78.5 r90
  text "N.C" at 2160,995 h50 r90
  text "SB2x" at 4645,986.49 h50 r90
  text "SB1x" at 4735,986.49 h50 r90
  text "PIN" at 2003.28,951.6 h70 r90
  text "MEM" at 4825,915.49 h70 r90
  text "VDD" at 4108,910.49 h70 r90
  text "PIN" at 3272.22,880.49 h70 r90
  text "PIN" at 4650,880.49 h70 r90
  text "0R" at 2270,875 h50 r90
  text "IF OFF" at 1525,835 h70 r90
  text "NFC" at 2124.28,835.6 h70 r90
  text "Button 2" at 4392,714.86 h75 r90
  text "Button 1" at 4286,711.08 h75 r90
  text "Funct." at 4188,683.25 h78.5 r90
  text "Function" at 4703,680.49 h70 r90
  text "Default" at 5010,676.49 h70 r90
  text "CTS" at 4498,646.8 h75 r90
  text "P0.03 (A0)" at 2015,630.4 h65 r90
  text "P0.04 (A1)" at 2115,630 h65 r90
  text "P0.28 (A2)" at 2215,630 h65 r90
  text "P0.29 (A3)" at 2315,630 h65 r90
  text "P0.31 (A5)" at 2515,630.68 h65 r90
  text "P0.30 (A4)" at 2414.75,629.32 h65 r90
  text "RESET" at 1319.75,561.87 h65 r90
  text "GND" at 1716.75,515.85 h65 r90
  text "GND" at 1619.75,509.85 h65 r90
  text "N.C." at 1821.75,509.85 h70 r90
  text "VDD" at 1120,506.68 h65 r90
  text "VDD" at 1220,506.68 h65 r90
  text "VDD" at 1420,506.68 h65 r90
  text "5V" at 1521,465.68 h65 r90
  text "HW" at 4598,459.68 h78.5 r90
  text "P0.11" at 4286,416.49 h75 r90
  text "P0.12" at 4392,416.49 h75 r90
  text "P0.07" at 4498,416.49 h75 r90
  text "Def." at 4188,392 h78.5 r90
  text "Alternative" at 5000,356.49 h70 r90
  text "TRACE / SW" at 4873,340.49 h70 r90
  text "P1.07" at 4286,221.49 h75 r90
  text "P1.08" at 4392,221.49 h75 r90
  text "P0.04" at 4498,221.49 h75 r90
  text "Alt." at 4188,184.68 h78.5 r90
Mechanical 1:
  the board outline again, w10
Mechanical 4:
  lines w6.5: 336.67,1255.96 497.61,1255.96 ccw(c497.61,1297) 526.62,1267.98 574.98,1316.33 ; 336.68,1270.05 497.83,1270.05 ccw(c497.83,1296.66) 516.65,1277.84 564.24,1325.44 ; 564.14,1325.54 cw(c612.81,1276.88) 612.41,1345.7 1354.62,1345.7 ; 574.78,1316.13 cw(c612.41,1278.1) 612.41,1331.6 1354.62,1331.6 ; 3513.48,371.15 3513.48,406.06 cw(c3613.48,406.06) 3542.77,476.77 3665.7,599.7 ccw(c3657.01,608.4) 3669.32,608.4 3669.32,613.08 cw(c3699,613.08) 3678.01,634.07 cw(c3699.1,612.98) 3699.1,642.81 3703.78,642.81 ccw(c3703.78,654.97) 3712.38,646.37 4186.67,1120.66 cw(c4267.34,1040) 4267.34,1154.09 4503.72,1154.09 ccw(c4503.72,1174.28) 4518,1160 4537.96,1179.96 ccw(c4522.92,1195) 4544.19,1195 4544.19,1284.99 ccw(c4505.99,1284.99) 4533,1312 4528.11,1316.89 cw(c4552.23,1341) 4518.13,1341 4518.13,1350.34 4515.42,1353.05 ; 3527.56,371.15 3527.56,405.88 cw(c3613.9,405.88) 3552.85,466.93 3625.72,539.8 ; 3625.81,539.8 cw(c3634.41,531.2) 3634.41,543.37 3639.09,543.37 ccw(c3639.09,573.19) 3660.18,552.1 ccw(c3639.19,573.09) 3668.87,573.09 3668.87,577.77 cw(c3681.18,577.77) 3672.48,586.47 ; 3674,588.08 4196.63,1110.71 cw(c4267.34,1040) 4267.34,1140 4503.72,1140 ccw(c4503.72,1174.28) 4527.96,1150.04 4548.26,1170.35 ccw(c4524.61,1194) 4558.06,1194 4558.06,1284.99 ccw(c4505.99,1284.99) 4542.81,1321.81 4537.92,1326.7 ; 4535.1,1353.05 4532,1349.94 4532,1341 ccw(c4552.23,1341) 4537.92,1326.7
  text "90ohm differensial impedance" at 292,1393 h40

## Text inside footprints (layer, text, board x,y; h text height)
LED5: Top Overlay "+" at 1311.61,747.62 h30 r180; Top Overlay "-" at 1311.61,871.64 h30 r180
P18: Top Overlay "1" at 3400,1150 h40
P19: Top Overlay "1" at 294,2202 h40
P25: Top Overlay "1" at 3400,1475 h40
SW9: Top Overlay "NN" at 1159.41,1482.54 h40 r90; Mechanical 7 "NN" at 1159.41,1482.54 h40 r90